# KiCad board led_mapper_850_mirrored.kicad_pcb (continued)
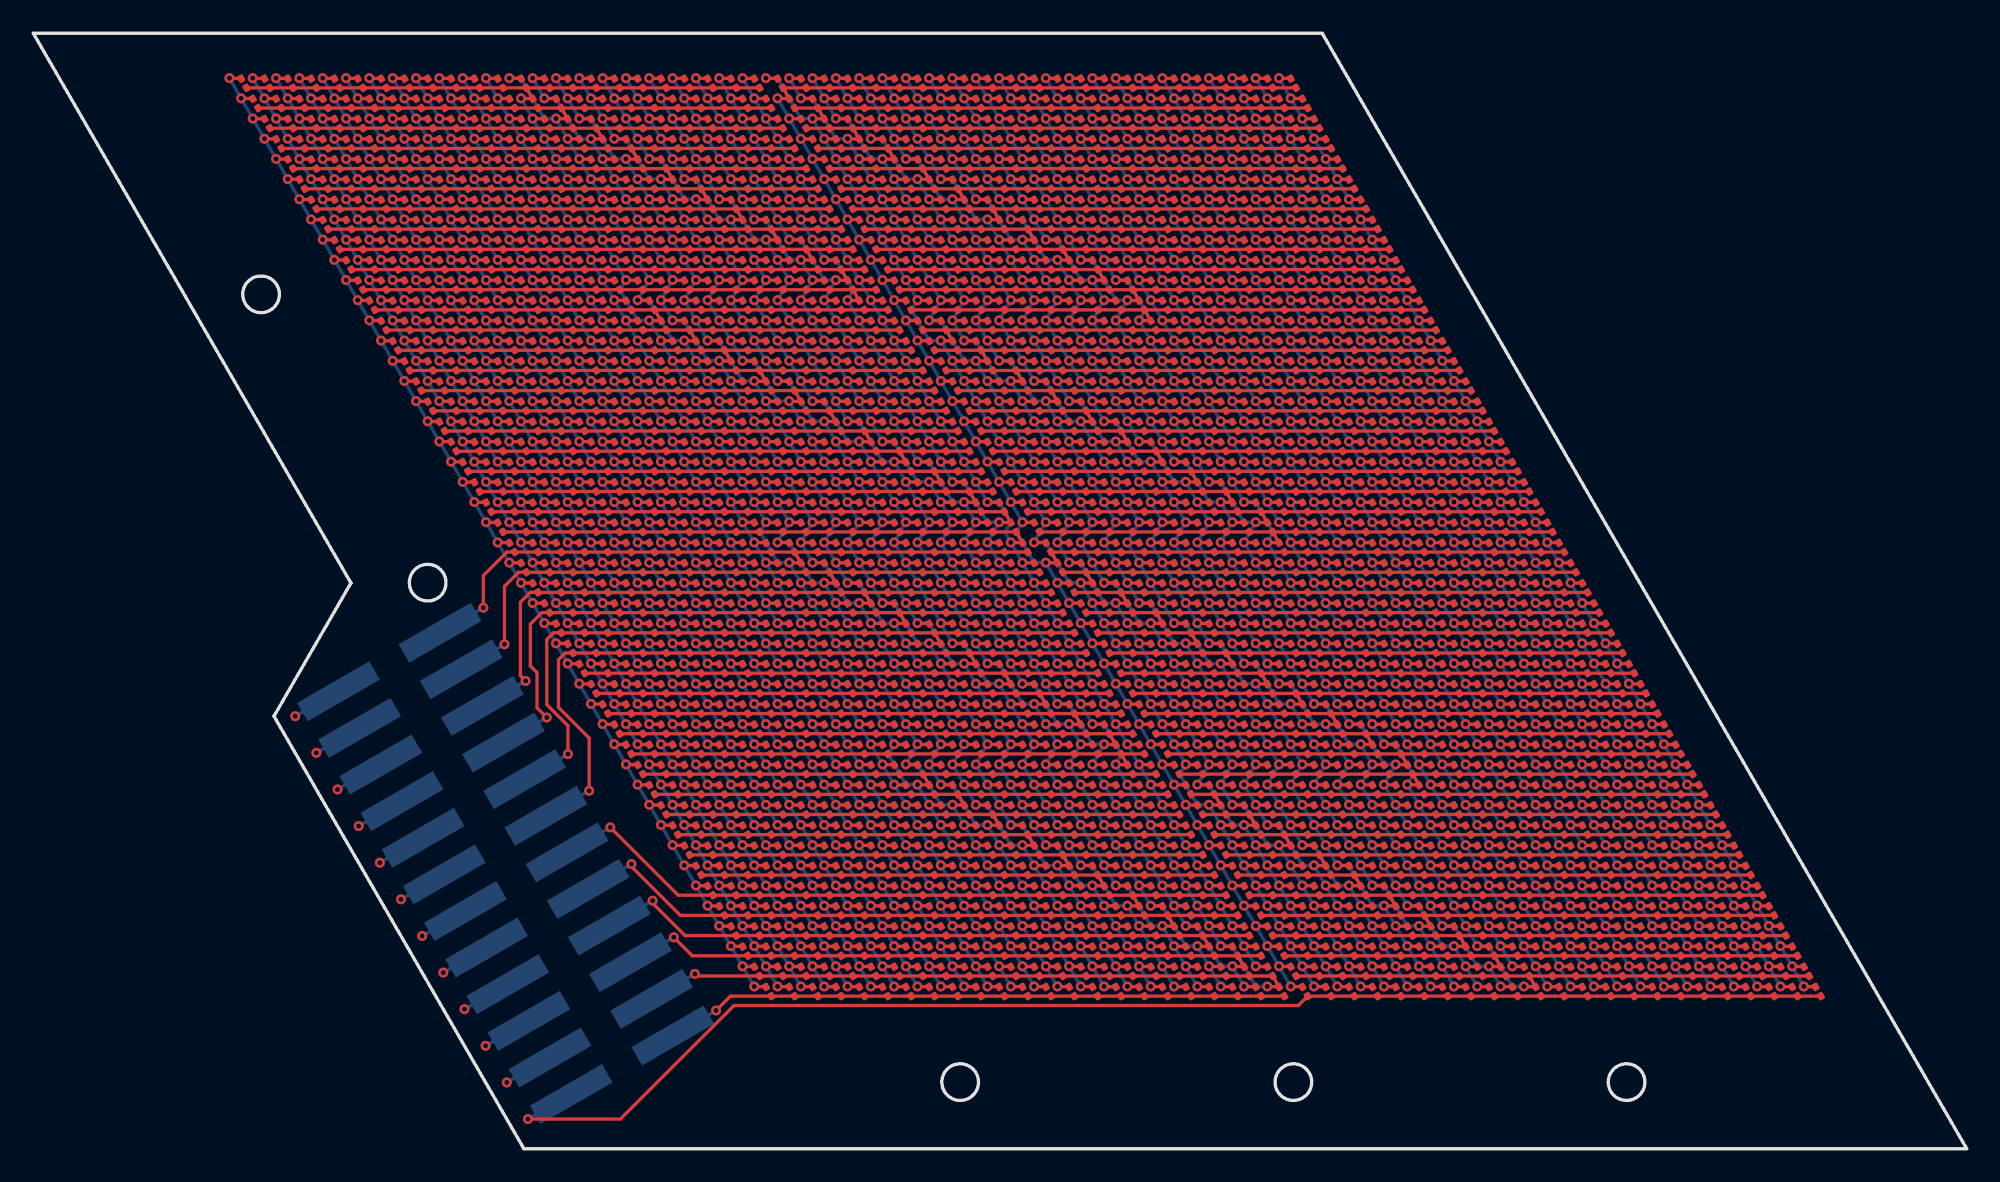
[diagram p0: board, top side]
## Nets (continued)
/P9: D9.2 D32.2 D55.2 D78.2 D101.2 D124.2 D147.2 D162.1 D163.1 D164.1 D165.1 D166.1 D167.1 D168.1 D169.1 D170.1 D171.1 D172.1 D173.1 D174.1 D175.1 D176.1 D177.1 D178.1 D179.1 D180.1 D181.1 D182.1 D183.1 D184.1 D193.2 D215.2 D239.2 D261.2 D285.2 D307.2 D331.2 D353.2 D377.2 D399.2 D423.2 D445.2 D469.2 D491.2 D515.2 D545.2 D567.2 D591.2 D613.2 D637.2 D659.2 D683.2 D705.2 D729.2 D751.2 D775.2 D797.2 D821.2 D843.2 D867.2 D889.2 D898.1 D899.1 D900.1 D901.1 D902.1 D903.1 D904.1 D905.1 D906.1 D907.1 D908.1 D909.1 D910.1 D911.1 D912.1 D913.1 D914.1 D915.1 D916.1 D917.1 D918.1 D919.1 D920.1 D935.2 D958.2 D981.2 D1004.2 D1027.2 D1050.2 D1067.2 D1090.2 D1113.2 D1136.2 D1159.2 D1182.2 D1205.2 D1220.1 D1221.1 D1222.1 D1223.1 D1224.1 D1225.1 D1226.1 D1227.1 D1228.1 D1229.1 D1230.1 D1231.1 D1232.1 D1233.1 D1234.1 D1235.1 D1236.1 D1237.1 D1238.1 D1239.1 D1240.1 D1241.1 D1242.1 D1251.2 D1273.2 D1297.2 D1319.2 D1343.2 D1365.2 D1389.2 D1411.2 D1435.2 D1457.2 D1481.2 D1503.2 D1527.2 D1549.2 D1573.2 D1603.2 D1625.2 D1649.2 D1671.2 D1695.2 D1717.2 D1741.2 D1763.2 D1787.2 D1809.2 D1833.2 D1855.2 D1879.2 D1901.2 D1925.2 D1947.2 D1956.1 D1957.1 D1958.1 D1959.1 D1960.1 D1961.1 D1962.1 D1963.1 D1964.1 D1965.1 D1966.1 D1967.1 D1968.1 D1969.1 D1970.1 D1971.1 D1972.1 D1973.1 D1974.1 D1975.1 D1976.1 D1977.1 D1978.1 D1993.2 D2016.2 D2039.2 D2062.2 D2085.2 D2108.2 J1.21
/P10: D10.2 D33.2 D56.2 D79.2 D102.2 D116.1 D117.1 D118.1 D119.1 D120.1 D121.1 D122.1 D123.1 D124.1 D125.1 D126.1 D127.1 D128.1 D129.1 D130.1 D131.1 D132.1 D133.1 D134.1 D135.1 D136.1 D137.1 D138.1 D148.2 D170.2 D194.2 D216.2 D240.2 D262.2 D286.2 D308.2 D332.2 D354.2 D378.2 D400.2 D424.2 D446.2 D470.2 D492.2 D516.2 D544.2 D566.2 D590.2 D612.2 D636.2 D658.2 D682.2 D704.2 D728.2 D750.2 D774.2 D796.2 D820.2 D842.2 D866.2 D888.2 D912.2 D934.2 D944.1 D945.1 D946.1 D947.1 D948.1 D949.1 D950.1 D951.1 D952.1 D953.1 D954.1 D955.1 D956.1 D957.1 D958.1 D959.1 D960.1 D961.1 D962.1 D963.1 D964.1 D965.1 D966.1 D980.2 D1003.2 D1026.2 D1049.2 D1068.2 D1091.2 D1114.2 D1137.2 D1160.2 D1174.1 D1175.1 D1176.1 D1177.1 D1178.1 D1179.1 D1180.1 D1181.1 D1182.1 D1183.1 D1184.1 D1185.1 D1186.1 D1187.1 D1188.1 D1189.1 D1190.1 D1191.1 D1192.1 D1193.1 D1194.1 D1195.1 D1196.1 D1206.2 D1228.2 D1252.2 D1274.2 D1298.2 D1320.2 D1344.2 D1366.2 D1390.2 D1412.2 D1436.2 D1458.2 D1482.2 D1504.2 D1528.2 D1550.2 D1574.2 D1602.2 D1624.2 D1648.2 D1670.2 D1694.2 D1716.2 D1740.2 D1762.2 D1786.2 D1808.2 D1832.2 D1854.2 D1878.2 D1900.2 D1924.2 D1946.2 D1970.2 D1992.2 D2002.1 D2003.1 D2004.1 D2005.1 D2006.1 D2007.1 D2008.1 D2009.1 D2010.1 D2011.1 D2012.1 D2013.1 D2014.1 D2015.1 D2016.1 D2017.1 D2018.1 D2019.1 D2020.1 D2021.1 D2022.1 D2023.1 D2024.1 D2038.2 D2061.2 D2084.2 D2107.2 J1.22
/P11: D11.2 D34.2 D57.2 D70.1 D71.1 D72.1 D73.1 D74.1 D75.1 D76.1 D77.1 D78.1 D79.1 D80.1 D81.1 D82.1 D83.1 D84.1 D85.1 D86.1 D87.1 D88.1 D89.1 D90.1 D91.1 D92.1 D103.2 D125.2 D149.2 D171.2 D195.2 D217.2 D241.2 D263.2 D287.2 D309.2 D333.2 D355.2 D379.2 D401.2 D425.2 D447.2 D471.2 D493.2 D517.2 D543.2 D565.2 D589.2 D611.2 D635.2 D657.2 D681.2 D703.2 D727.2 D749.2 D773.2 D795.2 D819.2 D841.2 D865.2 D887.2 D911.2 D933.2 D957.2 D979.2 D990.1 D991.1 D992.1 D993.1 D994.1 D995.1 D996.1 D997.1 D998.1 D999.1 D1000.1 D1001.1 D1002.1 D1003.1 D1004.1 D1005.1 D1006.1 D1007.1 D1008.1 D1009.1 D1010.1 D1011.1 D1012.1 D1025.2 D1048.2 D1069.2 D1092.2 D1115.2 D1128.1 D1129.1 D1130.1 D1131.1 D1132.1 D1133.1 D1134.1 D1135.1 D1136.1 D1137.1 D1138.1 D1139.1 D1140.1 D1141.1 D1142.1 D1143.1 D1144.1 D1145.1 D1146.1 D1147.1 D1148.1 D1149.1 D1150.1 D1161.2 D1183.2 D1207.2 D1229.2 D1253.2 D1275.2 D1299.2 D1321.2 D1345.2 D1367.2 D1391.2 D1413.2 D1437.2 D1459.2 D1483.2 D1505.2 D1529.2 D1551.2 D1575.2 D1601.2 D1623.2 D1647.2 D1669.2 D1693.2 D1715.2 D1739.2 D1761.2 D1785.2 D1807.2 D1831.2 D1853.2 D1877.2 D1899.2 D1923.2 D1945.2 D1969.2 D1991.2 D2015.2 D2037.2 D2048.1 D2049.1 D2050.1 D2051.1 D2052.1 D2053.1 D2054.1 D2055.1 D2056.1 D2057.1 D2058.1 D2059.1 D2060.1 D2061.1 D2062.1 D2063.1 D2064.1 D2065.1 D2066.1 D2067.1 D2068.1 D2069.1 D2070.1 D2083.2 D2106.2 J1.23
/P12: D12.2 D24.1 D25.1 D26.1 D27.1 D28.1 D29.1 D30.1 D31.1 D32.1 D33.1 D34.1 D35.1 D36.1 D37.1 D38.1 D39.1 D40.1 D41.1 D42.1 D43.1 D44.1 D45.1 D46.1 D58.2 D80.2 D104.2 D126.2 D150.2 D172.2 D196.2 D218.2 D242.2 D264.2 D288.2 D310.2 D334.2 D356.2 D380.2 D402.2 D426.2 D448.2 D472.2 D494.2 D518.2 D542.2 D564.2 D588.2 D610.2 D634.2 D656.2 D680.2 D702.2 D726.2 D748.2 D772.2 D794.2 D818.2 D840.2 D864.2 D886.2 D910.2 D932.2 D956.2 D978.2 D1002.2 D1024.2 D1036.1 D1037.1 D1038.1 D1039.1 D1040.1 D1041.1 D1042.1 D1043.1 D1044.1 D1045.1 D1046.1 D1047.1 D1048.1 D1049.1 D1050.1 D1051.1 D1052.1 D1053.1 D1054.1 D1055.1 D1056.1 D1057.1 D1058.1 D1070.2 D1082.1 D1083.1 D1084.1 D1085.1 D1086.1 D1087.1 D1088.1 D1089.1 D1090.1 D1091.1 D1092.1 D1093.1 D1094.1 D1095.1 D1096.1 D1097.1 D1098.1 D1099.1 D1100.1 D1101.1 D1102.1 D1103.1 D1104.1 D1116.2 D1138.2 D1162.2 D1184.2 D1208.2 D1230.2 D1254.2 D1276.2 D1300.2 D1322.2 D1346.2 D1368.2 D1392.2 D1414.2 D1438.2 D1460.2 D1484.2 D1506.2 D1530.2 D1552.2 D1576.2 D1600.2 D1622.2 D1646.2 D1668.2 D1692.2 D1714.2 D1738.2 D1760.2 D1784.2 D1806.2 D1830.2 D1852.2 D1876.2 D1898.2 D1922.2 D1944.2 D1968.2 D1990.2 D2014.2 D2036.2 D2060.2 D2082.2 D2094.1 D2095.1 D2096.1 D2097.1 D2098.1 D2099.1 D2100.1 D2101.1 D2102.1 D2103.1 D2104.1 D2105.1 D2106.1 D2107.1 D2108.1 D2109.1 D2110.1 D2111.1 D2112.1 D2113.1 D2114.1 D2115.1 D2116.1 J1.24
/P13: D13.2 D35.2 D59.2 D81.2 D105.2 D127.2 D151.2 D173.2 D197.2 D219.2 D243.2 D265.2 D289.2 D311.2 D335.2 D357.2 D381.2 D403.2 D427.2 D449.2 D473.2 D495.2 D507.1 D508.1 D509.1 D510.1 D511.1 D512.1 D513.1 D514.1 D515.1 D516.1 D517.1 D518.1 D519.1 D520.1 D521.1 D522.1 D523.1 D524.1 D525.1 D526.1 D527.1 D528.1 D529.1 D541.2 D553.1 D554.1 D555.1 D556.1 D557.1 D558.1 D559.1 D560.1 D561.1 D562.1 D563.1 D564.1 D565.1 D566.1 D567.1 D568.1 D569.1 D570.1 D571.1 D572.1 D573.1 D574.1 D575.1 D587.2 D609.2 D633.2 D655.2 D679.2 D701.2 D725.2 D747.2 D771.2 D793.2 D817.2 D839.2 D863.2 D885.2 D909.2 D931.2 D955.2 D977.2 D1001.2 D1023.2 D1047.2 D1071.2 D1093.2 D1117.2 D1139.2 D1163.2 D1185.2 D1209.2 D1231.2 D1255.2 D1277.2 D1301.2 D1323.2 D1347.2 D1369.2 D1393.2 D1415.2 D1439.2 D1461.2 D1485.2 D1507.2 D1531.2 D1553.2 D1565.1 D1566.1 D1567.1 D1568.1 D1569.1 D1570.1 D1571.1 D1572.1 D1573.1 D1574.1 D1575.1 D1576.1 D1577.1 D1578.1 D1579.1 D1580.1 D1581.1 D1582.1 D1583.1 D1584.1 D1585.1 D1586.1 D1587.1 D1599.2 D1611.1 D1612.1 D1613.1 D1614.1 D1615.1 D1616.1 D1617.1 D1618.1 D1619.1 D1620.1 D1621.1 D1622.1 D1623.1 D1624.1 D1625.1 D1626.1 D1627.1 D1628.1 D1629.1 D1630.1 D1631.1 D1632.1 D1633.1 D1645.2 D1667.2 D1691.2 D1713.2 D1737.2 D1759.2 D1783.2 D1805.2 D1829.2 D1851.2 D1875.2 D1897.2 D1921.2 D1943.2 D1967.2 D1989.2 D2013.2 D2035.2 D2059.2 D2081.2 D2105.2 J1.1
/P14: D14.2 D36.2 D60.2 D82.2 D106.2 D128.2 D152.2 D174.2 D198.2 D220.2 D244.2 D266.2 D290.2 D312.2 D336.2 D358.2 D382.2 D404.2 D428.2 D450.2 D461.1 D462.1 D463.1 D464.1 D465.1 D466.1 D467.1 D468.1 D469.1 D470.1 D471.1 D472.1 D473.1 D474.1 D475.1 D476.1 D477.1 D478.1 D479.1 D480.1 D481.1 D482.1 D483.1 D496.2 D519.2 D540.2 D563.2 D586.2 D599.1 D600.1 D601.1 D602.1 D603.1 D604.1 D605.1 D606.1 D607.1 D608.1 D609.1 D610.1 D611.1 D612.1 D613.1 D614.1 D615.1 D616.1 D617.1 D618.1 D619.1 D620.1 D621.1 D632.2 D654.2 D678.2 D700.2 D724.2 D746.2 D770.2 D792.2 D816.2 D838.2 D862.2 D884.2 D908.2 D930.2 D954.2 D976.2 D1000.2 D1022.2 D1046.2 D1072.2 D1094.2 D1118.2 D1140.2 D1164.2 D1186.2 D1210.2 D1232.2 D1256.2 D1278.2 D1302.2 D1324.2 D1348.2 D1370.2 D1394.2 D1416.2 D1440.2 D1462.2 D1486.2 D1508.2 D1519.1 D1520.1 D1521.1 D1522.1 D1523.1 D1524.1 D1525.1 D1526.1 D1527.1 D1528.1 D1529.1 D1530.1 D1531.1 D1532.1 D1533.1 D1534.1 D1535.1 D1536.1 D1537.1 D1538.1 D1539.1 D1540.1 D1541.1 D1554.2 D1577.2 D1598.2 D1621.2 D1644.2 D1657.1 D1658.1 D1659.1 D1660.1 D1661.1 D1662.1 D1663.1 D1664.1 D1665.1 D1666.1 D1667.1 D1668.1 D1669.1 D1670.1 D1671.1 D1672.1 D1673.1 D1674.1 D1675.1 D1676.1 D1677.1 D1678.1 D1679.1 D1690.2 D1712.2 D1736.2 D1758.2 D1782.2 D1804.2 D1828.2 D1850.2 D1874.2 D1896.2 D1920.2 D1942.2 D1966.2 D1988.2 D2012.2 D2034.2 D2058.2 D2080.2 D2104.2 J1.2
/P15: D15.2 D37.2 D61.2 D83.2 D107.2 D129.2 D153.2 D175.2 D199.2 D221.2 D245.2 D267.2 D291.2 D313.2 D337.2 D359.2 D383.2 D405.2 D415.1 D416.1 D417.1 D418.1 D419.1 D420.1 D421.1 D422.1 D423.1 D424.1 D425.1 D426.1 D427.1 D428.1 D429.1 D430.1 D431.1 D432.1 D433.1 D434.1 D435.1 D436.1 D437.1 D451.2 D474.2 D497.2 D520.2 D539.2 D562.2 D585.2 D608.2 D631.2 D645.1 D646.1 D647.1 D648.1 D649.1 D650.1 D651.1 D652.1 D653.1 D654.1 D655.1 D656.1 D657.1 D658.1 D659.1 D660.1 D661.1 D662.1 D663.1 D664.1 D665.1 D666.1 D667.1 D677.2 D699.2 D723.2 D745.2 D769.2 D791.2 D815.2 D837.2 D861.2 D883.2 D907.2 D929.2 D953.2 D975.2 D999.2 D1021.2 D1045.2 D1073.2 D1095.2 D1119.2 D1141.2 D1165.2 D1187.2 D1211.2 D1233.2 D1257.2 D1279.2 D1303.2 D1325.2 D1349.2 D1371.2 D1395.2 D1417.2 D1441.2 D1463.2 D1473.1 D1474.1 D1475.1 D1476.1 D1477.1 D1478.1 D1479.1 D1480.1 D1481.1 D1482.1 D1483.1 D1484.1 D1485.1 D1486.1 D1487.1 D1488.1 D1489.1 D1490.1 D1491.1 D1492.1 D1493.1 D1494.1 D1495.1 D1509.2 D1532.2 D1555.2 D1578.2 D1597.2 D1620.2 D1643.2 D1666.2 D1689.2 D1703.1 D1704.1 D1705.1 D1706.1 D1707.1 D1708.1 D1709.1 D1710.1 D1711.1 D1712.1 D1713.1 D1714.1 D1715.1 D1716.1 D1717.1 D1718.1 D1719.1 D1720.1 D1721.1 D1722.1 D1723.1 D1724.1 D1725.1 D1735.2 D1757.2 D1781.2 D1803.2 D1827.2 D1849.2 D1873.2 D1895.2 D1919.2 D1941.2 D1965.2 D1987.2 D2011.2 D2033.2 D2057.2 D2079.2 D2103.2 J1.3
/P16: D16.2 D38.2 D62.2 D84.2 D108.2 D130.2 D154.2 D176.2 D200.2 D222.2 D246.2 D268.2 D292.2 D314.2 D338.2 D360.2 D369.1 D370.1 D371.1 D372.1 D373.1 D374.1 D375.1 D376.1 D377.1 D378.1 D379.1 D380.1 D381.1 D382.1 D383.1 D384.1 D385.1 D386.1 D387.1 D388.1 D389.1 D390.1 D391.1 D406.2 D429.2 D452.2 D475.2 D498.2 D521.2 D538.2 D561.2 D584.2 D607.2 D630.2 D653.2 D676.2 D691.1 D692.1 D693.1 D694.1 D695.1 D696.1 D697.1 D698.1 D699.1 D700.1 D701.1 D702.1 D703.1 D704.1 D705.1 D706.1 D707.1 D708.1 D709.1 D710.1 D711.1 D712.1 D713.1 D722.2 D744.2 D768.2 D790.2 D814.2 D836.2 D860.2 D882.2 D906.2 D928.2 D952.2 D974.2 D998.2 D1020.2 D1044.2 D1074.2 D1096.2 D1120.2 D1142.2 D1166.2 D1188.2 D1212.2 D1234.2 D1258.2 D1280.2 D1304.2 D1326.2 D1350.2 D1372.2 D1396.2 D1418.2 D1427.1 D1428.1 D1429.1 D1430.1 D1431.1 D1432.1 D1433.1 D1434.1 D1435.1 D1436.1 D1437.1 D1438.1 D1439.1 D1440.1 D1441.1 D1442.1 D1443.1 D1444.1 D1445.1 D1446.1 D1447.1 D1448.1 D1449.1 D1464.2 D1487.2 D1510.2 D1533.2 D1556.2 D1579.2 D1596.2 D1619.2 D1642.2 D1665.2 D1688.2 D1711.2 D1734.2 D1749.1 D1750.1 D1751.1 D1752.1 D1753.1 D1754.1 D1755.1 D1756.1 D1757.1 D1758.1 D1759.1 D1760.1 D1761.1 D1762.1 D1763.1 D1764.1 D1765.1 D1766.1 D1767.1 D1768.1 D1769.1 D1770.1 D1771.1 D1780.2 D1802.2 D1826.2 D1848.2 D1872.2 D1894.2 D1918.2 D1940.2 D1964.2 D1986.2 D2010.2 D2032.2 D2056.2 D2078.2 D2102.2 J1.4
/P17: D17.2 D39.2 D63.2 D85.2 D109.2 D131.2 D155.2 D177.2 D201.2 D223.2 D247.2 D269.2 D293.2 D315.2 D323.1 D324.1 D325.1 D326.1 D327.1 D328.1 D329.1 D330.1 D331.1 D332.1 D333.1 D334.1 D335.1 D336.1 D337.1 D338.1 D339.1 D340.1 D341.1 D342.1 D343.1 D344.1 D345.1 D361.2 D384.2 D407.2 D430.2 D453.2 D476.2 D499.2 D522.2 D537.2 D560.2 D583.2 D606.2 D629.2 D652.2 D675.2 D698.2 D721.2 D737.1 D738.1 D739.1 D740.1 D741.1 D742.1 D743.1 D744.1 D745.1 D746.1 D747.1 D748.1 D749.1 D750.1 D751.1 D752.1 D753.1 D754.1 D755.1 D756.1 D757.1 D758.1 D759.1 D767.2 D789.2 D813.2 D835.2 D859.2 D881.2 D905.2 D927.2 D951.2 D973.2 D997.2 D1019.2 D1043.2 D1075.2 D1097.2 D1121.2 D1143.2 D1167.2 D1189.2 D1213.2 D1235.2 D1259.2 D1281.2 D1305.2 D1327.2 D1351.2 D1373.2 D1381.1 D1382.1 D1383.1 D1384.1 D1385.1 D1386.1 D1387.1 D1388.1 D1389.1 D1390.1 D1391.1 D1392.1 D1393.1 D1394.1 D1395.1 D1396.1 D1397.1 D1398.1 D1399.1 D1400.1 D1401.1 D1402.1 D1403.1 D1419.2 D1442.2 D1465.2 D1488.2 D1511.2 D1534.2 D1557.2 D1580.2 D1595.2 D1618.2 D1641.2 D1664.2 D1687.2 D1710.2 D1733.2 D1756.2 D1779.2 D1795.1 D1796.1 D1797.1 D1798.1 D1799.1 D1800.1 D1801.1 D1802.1 D1803.1 D1804.1 D1805.1 D1806.1 D1807.1 D1808.1 D1809.1 D1810.1 D1811.1 D1812.1 D1813.1 D1814.1 D1815.1 D1816.1 D1817.1 D1825.2 D1847.2 D1871.2 D1893.2 D1917.2 D1939.2 D1963.2 D1985.2 D2009.2 D2031.2 D2055.2 D2077.2 D2101.2 J1.5
/P18: D18.2 D40.2 D64.2 D86.2 D110.2 D132.2 D156.2 D178.2 D202.2 D224.2 D248.2 D270.2 D277.1 D278.1 D279.1 D280.1 D281.1 D282.1 D283.1 D284.1 D285.1 D286.1 D287.1 D288.1 D289.1 D290.1 D291.1 D292.1 D293.1 D294.1 D295.1 D296.1 D297.1 D298.1 D299.1 D316.2 D339.2 D362.2 D385.2 D408.2 D431.2 D454.2 D477.2 D500.2 D523.2 D536.2 D559.2 D582.2 D605.2 D628.2 D651.2 D674.2 D697.2 D720.2 D743.2 D766.2 D783.1 D784.1 D785.1 D786.1 D787.1 D788.1 D789.1 D790.1 D791.1 D792.1 D793.1 D794.1 D795.1 D796.1 D797.1 D798.1 D799.1 D800.1 D801.1 D802.1 D803.1 D804.1 D805.1 D812.2 D834.2 D858.2 D880.2 D904.2 D926.2 D950.2 D972.2 D996.2 D1018.2 D1042.2 D1076.2 D1098.2 D1122.2 D1144.2 D1168.2 D1190.2 D1214.2 D1236.2 D1260.2 D1282.2 D1306.2 D1328.2 D1335.1 D1336.1 D1337.1 D1338.1 D1339.1 D1340.1 D1341.1 D1342.1 D1343.1 D1344.1 D1345.1 D1346.1 D1347.1 D1348.1 D1349.1 D1350.1 D1351.1 D1352.1 D1353.1 D1354.1 D1355.1 D1356.1 D1357.1 D1374.2 D1397.2 D1420.2 D1443.2 D1466.2 D1489.2 D1512.2 D1535.2 D1558.2 D1581.2 D1594.2 D1617.2 D1640.2 D1663.2 D1686.2 D1709.2 D1732.2 D1755.2 D1778.2 D1801.2 D1824.2 D1841.1 D1842.1 D1843.1 D1844.1 D1845.1 D1846.1 D1847.1 D1848.1 D1849.1 D1850.1 D1851.1 D1852.1 D1853.1 D1854.1 D1855.1 D1856.1 D1857.1 D1858.1 D1859.1 D1860.1 D1861.1 D1862.1 D1863.1 D1870.2 D1892.2 D1916.2 D1938.2 D1962.2 D1984.2 D2008.2 D2030.2 D2054.2 D2076.2 D2100.2 J1.6
/P19: D19.2 D41.2 D65.2 D87.2 D111.2 D133.2 D157.2 D179.2 D203.2 D225.2 D231.1 D232.1 D233.1 D234.1 D235.1 D236.1 D237.1 D238.1 D239.1 D240.1 D241.1 D242.1 D243.1 D244.1 D245.1 D246.1 D247.1 D248.1 D249.1 D250.1 D251.1 D252.1 D253.1 D271.2 D294.2 D317.2 D340.2 D363.2 D386.2 D409.2 D432.2 D455.2 D478.2 D501.2 D524.2 D535.2 D558.2 D581.2 D604.2 D627.2 D650.2 D673.2 D696.2 D719.2 D742.2 D765.2 D788.2 D811.2 D829.1 D830.1 D831.1 D832.1 D833.1 D834.1 D835.1 D836.1 D837.1 D838.1 D839.1 D840.1 D841.1 D842.1 D843.1 D844.1 D845.1 D846.1 D847.1 D848.1 D849.1 D850.1 D851.1 D857.2 D879.2 D903.2 D925.2 D949.2 D971.2 D995.2 D1017.2 D1041.2 D1077.2 D1099.2 D1123.2 D1145.2 D1169.2 D1191.2 D1215.2 D1237.2 D1261.2 D1283.2 D1289.1 D1290.1 D1291.1 D1292.1 D1293.1 D1294.1 D1295.1 D1296.1 D1297.1 D1298.1 D1299.1 D1300.1 D1301.1 D1302.1 D1303.1 D1304.1 D1305.1 D1306.1 D1307.1 D1308.1 D1309.1 D1310.1 D1311.1 D1329.2 D1352.2 D1375.2 D1398.2 D1421.2 D1444.2 D1467.2 D1490.2 D1513.2 D1536.2 D1559.2 D1582.2 D1593.2 D1616.2 D1639.2 D1662.2 D1685.2 D1708.2 D1731.2 D1754.2 D1777.2 D1800.2 D1823.2 D1846.2 D1869.2 D1887.1 D1888.1 D1889.1 D1890.1 D1891.1 D1892.1 D1893.1 D1894.1 D1895.1 D1896.1 D1897.1 D1898.1 D1899.1 D1900.1 D1901.1 D1902.1 D1903.1 D1904.1 D1905.1 D1906.1 D1907.1 D1908.1 D1909.1 D1915.2 D1937.2 D1961.2 D1983.2 D2007.2 D2029.2 D2053.2 D2075.2 D2099.2 J1.7
/P20: D20.2 D42.2 D66.2 D88.2 D112.2 D134.2 D158.2 D180.2 D185.1 D186.1 D187.1 D188.1 D189.1 D190.1 D191.1 D192.1 D193.1 D194.1 D195.1 D196.1 D197.1 D198.1 D199.1 D200.1 D201.1 D202.1 D203.1 D204.1 D205.1 D206.1 D207.1 D226.2 D249.2 D272.2 D295.2 D318.2 D341.2 D364.2 D387.2 D410.2 D433.2 D456.2 D479.2 D502.2 D525.2 D534.2 D557.2 D580.2 D603.2 D626.2 D649.2 D672.2 D695.2 D718.2 D741.2 D764.2 D787.2 D810.2 D833.2 D856.2 D875.1 D876.1 D877.1 D878.1 D879.1 D880.1 D881.1 D882.1 D883.1 D884.1 D885.1 D886.1 D887.1 D888.1 D889.1 D890.1 D891.1 D892.1 D893.1 D894.1 D895.1 D896.1 D897.1 D902.2 D924.2 D948.2 D970.2 D994.2 D1016.2 D1040.2 D1078.2 D1100.2 D1124.2 D1146.2 D1170.2 D1192.2 D1216.2 D1238.2 D1243.1 D1244.1 D1245.1 D1246.1 D1247.1 D1248.1 D1249.1 D1250.1 D1251.1 D1252.1 D1253.1 D1254.1 D1255.1 D1256.1 D1257.1 D1258.1 D1259.1 D1260.1 D1261.1 D1262.1 D1263.1 D1264.1 D1265.1 D1284.2 D1307.2 D1330.2 D1353.2 D1376.2 D1399.2 D1422.2 D1445.2 D1468.2 D1491.2 D1514.2 D1537.2 D1560.2 D1583.2 D1592.2 D1615.2 D1638.2 D1661.2 D1684.2 D1707.2 D1730.2 D1753.2 D1776.2 D1799.2 D1822.2 D1845.2 D1868.2 D1891.2 D1914.2 D1933.1 D1934.1 D1935.1 D1936.1 D1937.1 D1938.1 D1939.1 D1940.1 D1941.1 D1942.1 D1943.1 D1944.1 D1945.1 D1946.1 D1947.1 D1948.1 D1949.1 D1950.1 D1951.1 D1952.1 D1953.1 D1954.1 D1955.1 D1960.2 D1982.2 D2006.2 D2028.2 D2052.2 D2074.2 D2098.2 J1.8
/P21: D21.2 D43.2 D67.2 D89.2 D113.2 D135.2 D139.1 D140.1 D141.1 D142.1 D143.1 D144.1 D145.1 D146.1 D147.1 D148.1 D149.1 D150.1 D151.1 D152.1 D153.1 D154.1 D155.1 D156.1 D157.1 D158.1 D159.1 D160.1 D161.1 D181.2 D204.2 D227.2 D250.2 D273.2 D296.2 D319.2 D342.2 D365.2 D388.2 D411.2 D434.2 D457.2 D480.2 D503.2 D526.2 D533.2 D556.2 D579.2 D602.2 D625.2 D648.2 D671.2 D694.2 D717.2 D740.2 D763.2 D786.2 D809.2 D832.2 D855.2 D878.2 D901.2 D921.1 D922.1 D923.1 D924.1 D925.1 D926.1 D927.1 D928.1 D929.1 D930.1 D931.1 D932.1 D933.1 D934.1 D935.1 D936.1 D937.1 D938.1 D939.1 D940.1 D941.1 D942.1 D943.1 D947.2 D969.2 D993.2 D1015.2 D1039.2 D1079.2 D1101.2 D1125.2 D1147.2 D1171.2 D1193.2 D1197.1 D1198.1 D1199.1 D1200.1 D1201.1 D1202.1 D1203.1 D1204.1 D1205.1 D1206.1 D1207.1 D1208.1 D1209.1 D1210.1 D1211.1 D1212.1 D1213.1 D1214.1 D1215.1 D1216.1 D1217.1 D1218.1 D1219.1 D1239.2 D1262.2 D1285.2 D1308.2 D1331.2 D1354.2 D1377.2 D1400.2 D1423.2 D1446.2 D1469.2 D1492.2 D1515.2 D1538.2 D1561.2 D1584.2 D1591.2 D1614.2 D1637.2 D1660.2 D1683.2 D1706.2 D1729.2 D1752.2 D1775.2 D1798.2 D1821.2 D1844.2 D1867.2 D1890.2 D1913.2 D1936.2 D1959.2 D1979.1 D1980.1 D1981.1 D1982.1 D1983.1 D1984.1 D1985.1 D1986.1 D1987.1 D1988.1 D1989.1 D1990.1 D1991.1 D1992.1 D1993.1 D1994.1 D1995.1 D1996.1 D1997.1 D1998.1 D1999.1 D2000.1 D2001.1 D2005.2 D2027.2 D2051.2 D2073.2 D2097.2 J1.9
/P22: D22.2 D44.2 D68.2 D90.2 D93.1 D94.1 D95.1 D96.1 D97.1 D98.1 D99.1 D100.1 D101.1 D102.1 D103.1 D104.1 D105.1 D106.1 D107.1 D108.1 D109.1 D110.1 D111.1 D112.1 D113.1 D114.1 D115.1 D136.2 D159.2 D182.2 D205.2 D228.2 D251.2 D274.2 D297.2 D320.2 D343.2 D366.2 D389.2 D412.2 D435.2 D458.2 D481.2 D504.2 D527.2 D532.2 D555.2 D578.2 D601.2 D624.2 D647.2 D670.2 D693.2 D716.2 D739.2 D762.2 D785.2 D808.2 D831.2 D854.2 D877.2 D900.2 D923.2 D946.2 D967.1 D968.1 D969.1 D970.1 D971.1 D972.1 D973.1 D974.1 D975.1 D976.1 D977.1 D978.1 D979.1 D980.1 D981.1 D982.1 D983.1 D984.1 D985.1 D986.1 D987.1 D988.1 D989.1 D992.2 D1014.2 D1038.2 D1080.2 D1102.2 D1126.2 D1148.2 D1151.1 D1152.1 D1153.1 D1154.1 D1155.1 D1156.1 D1157.1 D1158.1 D1159.1 D1160.1 D1161.1 D1162.1 D1163.1 D1164.1 D1165.1 D1166.1 D1167.1 D1168.1 D1169.1 D1170.1 D1171.1 D1172.1 D1173.1 D1194.2 D1217.2 D1240.2 D1263.2 D1286.2 D1309.2 D1332.2 D1355.2 D1378.2 D1401.2 D1424.2 D1447.2 D1470.2 D1493.2 D1516.2 D1539.2 D1562.2 D1585.2 D1590.2 D1613.2 D1636.2 D1659.2 D1682.2 D1705.2 D1728.2 D1751.2 D1774.2 D1797.2 D1820.2 D1843.2 D1866.2 D1889.2 D1912.2 D1935.2 D1958.2 D1981.2 D2004.2 D2025.1 D2026.1 D2027.1 D2028.1 D2029.1 D2030.1 D2031.1 D2032.1 D2033.1 D2034.1 D2035.1 D2036.1 D2037.1 D2038.1 D2039.1 D2040.1 D2041.1 D2042.1 D2043.1 D2044.1 D2045.1 D2046.1 D2047.1 D2050.2 D2072.2 D2096.2 J1.10
/P23: D23.2 D45.2 D47.1 D48.1 D49.1 D50.1 D51.1 D52.1 D53.1 D54.1 D55.1 D56.1 D57.1 D58.1 D59.1 D60.1 D61.1 D62.1 D63.1 D64.1 D65.1 D66.1 D67.1 D68.1 D69.1 D91.2 D114.2 D137.2 D160.2 D183.2 D206.2 D229.2 D252.2 D275.2 D298.2 D321.2 D344.2 D367.2 D390.2 D413.2 D436.2 D459.2 D482.2 D505.2 D528.2 D531.2 D554.2 D577.2 D600.2 D623.2 D646.2 D669.2 D692.2 D715.2 D738.2 D761.2 D784.2 D807.2 D830.2 D853.2 D876.2 D899.2 D922.2 D945.2 D968.2 D991.2 D1013.1 D1014.1 D1015.1 D1016.1 D1017.1 D1018.1 D1019.1 D1020.1 D1021.1 D1022.1 D1023.1 D1024.1 D1025.1 D1026.1 D1027.1 D1028.1 D1029.1 D1030.1 D1031.1 D1032.1 D1033.1 D1034.1 D1035.1 D1037.2 D1081.2 D1103.2 D1105.1 D1106.1 D1107.1 D1108.1 D1109.1 D1110.1 D1111.1 D1112.1 D1113.1 D1114.1 D1115.1 D1116.1 D1117.1 D1118.1 D1119.1 D1120.1 D1121.1 D1122.1 D1123.1 D1124.1 D1125.1 D1126.1 D1127.1 D1149.2 D1172.2 D1195.2 D1218.2 D1241.2 D1264.2 D1287.2 D1310.2 D1333.2 D1356.2 D1379.2 D1402.2 D1425.2 D1448.2 D1471.2 D1494.2 D1517.2 D1540.2 D1563.2 D1586.2 D1589.2 D1612.2 D1635.2 D1658.2 D1681.2 D1704.2 D1727.2 D1750.2 D1773.2 D1796.2 D1819.2 D1842.2 D1865.2 D1888.2 D1911.2 D1934.2 D1957.2 D1980.2 D2003.2 D2026.2 D2049.2 D2071.1 D2072.1 D2073.1 D2074.1 D2075.1 D2076.1 D2077.1 D2078.1 D2079.1 D2080.1 D2081.1 D2082.1 D2083.1 D2084.1 D2085.1 D2086.1 D2087.1 D2088.1 D2089.1 D2090.1 D2091.1 D2092.1 D2093.1 D2095.2 J1.11
/P24: D1.1 D2.1 D3.1 D4.1 D5.1 D6.1 D7.1 D8.1 D9.1 D10.1 D11.1 D12.1 D13.1 D14.1 D15.1 D16.1 D17.1 D18.1 D19.1 D20.1 D21.1 D22.1 D23.1 D46.2 D69.2 D92.2 D115.2 D138.2 D161.2 D184.2 D207.2 D230.2 D253.2 D276.2 D299.2 D322.2 D345.2 D368.2 D391.2 D414.2 D437.2 D460.2 D483.2 D506.2 D529.2 D530.2 D553.2 D576.2 D599.2 D622.2 D645.2 D668.2 D691.2 D714.2 D737.2 D760.2 D783.2 D806.2 D829.2 D852.2 D875.2 D898.2 D921.2 D944.2 D967.2 D990.2 D1013.2 D1036.2 D1059.1 D1060.1 D1061.1 D1062.1 D1063.1 D1064.1 D1065.1 D1066.1 D1067.1 D1068.1 D1069.1 D1070.1 D1071.1 D1072.1 D1073.1 D1074.1 D1075.1 D1076.1 D1077.1 D1078.1 D1079.1 D1080.1 D1081.1 D1104.2 D1127.2 D1150.2 D1173.2 D1196.2 D1219.2 D1242.2 D1265.2 D1288.2 D1311.2 D1334.2 D1357.2 D1380.2 D1403.2 D1426.2 D1449.2 D1472.2 D1495.2 D1518.2 D1541.2 D1564.2 D1587.2 D1588.2 D1611.2 D1634.2 D1657.2 D1680.2 D1703.2 D1726.2 D1749.2 D1772.2 D1795.2 D1818.2 D1841.2 D1864.2 D1887.2 D1910.2 D1933.2 D1956.2 D1979.2 D2002.2 D2025.2 D2048.2 D2071.2 D2094.2 J1.12

## Via types
v1: diameter 0.6, hole 0.3, Top to Bottom, 2140 vias

## Routing (per net, layer and track width the routed paths; a pad name or vN(x,y) marks a point on that pad's centre or on a via; arc(x,y) is an arc through that point)
/P1: length 324
  Top w0.2: D1266.2 v1(61.47,31.57) ; D966.2 v1(51.67,48.54) ; D1473.2 v1(97.17,25.51) ; D1450.2 v1(64.27,26.72) ; D507.2 v1(82.47,50.97) ; D1748.2 v1(71.97,13.38) ; D713.2 v1(88.07,41.27) ; D254.2 v1(46.07,58.24) ; D1335.2 v1(95.07,29.15) ; D874.2 v1(53.07,46.12) ; D989.2 v1(83.87,48.54) ; D1151.2 v1(92.27,33.99) ; D1542.2 v1(65.67,24.3) ; D621.2 v1(89.47,38.84) ; D1932.2 v1(69.17,18.23) ; D920.2 v1(52.37,47.33) ; D851.2 v1(85.97,44.91) ; D575.2 v1(90.17,37.63) ; D1381.2 v1(95.77,27.93) ; D1496.2 v1(64.97,25.51) ; D530.1 D552.1 D1082.2 v1(58.67,36.42) ; D2093.2 v1(99.27,21.87) ; D1909.2 v1(102.07,17.02) ; D1.2 v1(74.77,64.31) ; D438.2 v1(48.87,53.39) ; v1(40.98,8.3) 41.84,9.16 D1588.1 D1610.1 ; D415.2 v1(81.07,53.39) ; D461.2 v1(81.77,52.18) ; D736.2 v1(55.17,42.48) ; D690.2 v1(55.87,41.27) ; D323.2 v1(79.67,55.82) ; D1863.2 v1(102.77,15.81) ; D759.2 v1(87.37,42.48) ; D1702.2 v1(72.67,12.17) ; D1059.2 v1(90.87,36.42) ; D392.2 v1(48.17,54.61) ; D2001.2 v1(100.67,19.45) ; D1243.2 v1(93.67,31.57) ; D1427.2 v1(96.47,26.72) ; D1358.2 v1(62.87,29.15) ; D1105.2 v1(91.57,35.21) ; D47.2 v1(75.47,63.09) ; D1128.2 v1(59.37,35.21) ; D231.2 v1(78.27,58.24) ; D1725.2 v1(104.87,12.17) ; D2116.2 v1(66.37,23.08) ; D1174.2 v1(60.07,33.99) ; D116.2 v1(43.97,61.88) ; D139.2 v1(76.87,60.67) ; D1289.2 v1(94.37,30.36) ; D162.2 v1(44.67,60.67) ; D2047.2 v1(99.97,20.66) ; D2070.2 v1(67.07,21.87) ; D346.2 v1(47.47,55.82) ; D300.2 v1(46.77,57.03) ; D943.2 v1(84.57,47.33) ; D805.2 v1(86.67,43.69) ; D1404.2 v1(63.57,27.93) ; D1012.2 v1(50.97,49.76) ; D1565.2 v1(98.57,23.08) ; D1978.2 v1(68.47,19.45) ; D1220.2 v1(60.77,32.78) ; D1679.2 v1(105.57,10.96) ; D185.2 v1(77.57,59.46) ; D93.2 v1(76.17,61.88) ; D644.2 v1(56.57,40.06) ; D1794.2 v1(71.27,14.6) ; D277.2 v1(78.97,57.03) ; D667.2 v1(88.77,40.06) ; D897.2 v1(85.27,46.12) ; D1197.2 v1(92.97,32.78) ; D1955.2 v1(101.37,18.23) ; D1840.2 v1(70.57,15.81) ; D1058.2 v1(50.27,50.97) ; D369.2 v1(80.37,54.61) ; D1817.2 v1(103.47,14.6) ; D1633.2 v1(106.27,9.75) ; D782.2 v1(54.47,43.69) ; D484.2 v1(49.57,52.18) ; D24.2 v1(42.57,64.31) ; D70.2 v1(43.27,63.09) ; D828.2 v1(53.77,44.91) ; D1771.2 v1(104.17,13.38) ; D598.2 v1(57.27,38.84) ; D1519.2 v1(97.87,24.3) ; D1886.2 v1(69.87,17.02) ; D1035.2 v1(83.17,49.76) ; D2024.2 v1(67.77,20.66) ; D208.2 v1(45.37,59.46) ; D1312.2 v1(62.17,30.36) ; D1656.2 v1(73.37,10.96)
  In1.Cu w0.2: v1(40.98,8.3) 43.08,10.4 72.81,10.4 v1(73.37,10.96)
  In2.Cu w0.2: v1(91.57,35.21) 91.22,35.81 59.72,35.81 v1(59.37,35.21)
  Bottom w0.2: v1(42.57,64.31) v1(49.57,52.18) v1(50.27,50.97) v1(57.27,38.84) 57.97,38.84 58.67,37.63 58.32,37.03 v1(58.67,36.42) v1(65.67,24.3) v1(66.37,23.08) v1(73.37,10.96) ; v1(74.77,64.31) v1(106.27,9.75) ; J1.13 v1(40.98,8.3)
/P2: length 358.1
  Top w0.2: D1566.2 v1(97.17,23.08) ; D1451.2 v1(62.87,26.72) ; D186.2 v1(76.17,59.46) ; D919.2 v1(50.97,47.33) ; v1(39.71,10.5) 39.84,10.38 D1634.1 D1656.1 D1610.2 v1(74.07,9.75) ; D1011.2 v1(49.57,49.76) ; D1908.2 v1(100.67,17.02) ; D2069.2 v1(65.67,21.87) ; D896.2 v1(83.87,46.12) ; D1747.2 v1(70.57,13.38) ; D393.2 v1(46.77,54.61) ; D140.2 v1(75.47,60.67) ; D988.2 v1(82.47,48.54) ; D117.2 v1(42.57,61.88) ; D1129.2 v1(57.97,35.21) ; D1474.2 v1(95.77,25.51) ; v1(64.97,23.08) D2115.2 D1543.1 ; D1793.2 v1(69.87,14.6) ; D1770.2 v1(102.77,13.38) ; D48.2 v1(74.07,63.09) ; D1359.2 v1(61.47,29.15) ; D1954.2 v1(99.97,18.23) ; D850.2 v1(84.57,44.91) ; D1977.2 v1(67.07,19.45) ; D1428.2 v1(95.07,26.72) ; D1060.2 v1(89.47,36.42) ; D1542.1 D1564.1 ; v1(48.87,50.97) D1057.2 D485.1 ; D1382.2 v1(94.37,27.93) ; v1(57.97,37.63) D552.2 D598.1 D576.1 ; D71.2 v1(41.87,63.09) ; D781.2 v1(53.07,43.69) ; D1034.2 v1(81.77,49.76) ; D370.2 v1(78.97,54.61) ; D827.2 v1(52.37,44.91) ; D1336.2 v1(93.67,29.15) ; D278.2 v1(77.57,57.03) ; D25.2 v1(41.17,64.31) ; D1839.2 v1(69.17,15.81) ; D2.2 v1(73.37,64.31) ; D1221.2 v1(59.37,32.78) ; D643.2 v1(55.17,40.06) ; D232.2 v1(76.87,58.24) ; D1083.2 v1(57.27,36.42) ; D1290.2 v1(92.97,30.36) ; D439.2 v1(47.47,53.39) ; D508.2 v1(81.07,50.97) ; D965.2 v1(50.27,48.54) ; D1405.2 v1(62.17,27.93) ; D1520.2 v1(96.47,24.3) ; D2046.2 v1(98.57,20.66) ; D574.2 v1(88.77,37.63) ; D758.2 v1(85.97,42.48) ; D301.2 v1(45.37,57.03) ; D324.2 v1(78.27,55.82) ; D2000.2 v1(99.27,19.45) ; D712.2 v1(86.67,41.27) ; D1816.2 v1(102.07,14.6) ; D416.2 v1(79.67,53.39) ; D1106.2 v1(90.17,35.21) ; D163.2 v1(43.27,60.67) ; D666.2 v1(87.37,40.06) ; D1175.2 v1(58.67,33.99) ; D1198.2 v1(91.57,32.78) ; D1152.2 v1(90.87,33.99) ; D484.1 D506.1 ; D1701.2 v1(71.27,12.17) ; D1862.2 v1(101.37,15.81) ; D209.2 v1(43.97,59.46) ; D255.2 v1(44.67,58.24) ; D1632.2 v1(104.87,9.75) ; D873.2 v1(51.67,46.12) ; D1724.2 v1(103.47,12.17) ; D1313.2 v1(60.77,30.36) ; D462.2 v1(80.37,52.18) ; D347.2 v1(46.07,55.82) ; D1931.2 v1(67.77,18.23) ; D942.2 v1(83.17,47.33) ; D1267.2 v1(60.07,31.57) ; D804.2 v1(85.27,43.69) ; D2092.2 v1(97.87,21.87) ; D1244.2 v1(92.27,31.57) ; D94.2 v1(74.77,61.88) ; D1678.2 v1(104.17,10.96) ; D1885.2 v1(68.47,17.02) ; D735.2 v1(53.77,42.48) ; D1497.2 v1(63.57,25.51) ; D689.2 v1(54.47,41.27) ; D2023.2 v1(66.37,20.66) ; D620.2 v1(88.07,38.84)